# Altium PCB Gesturelink V1.PcbDoc (part 7 of 9) (continued)
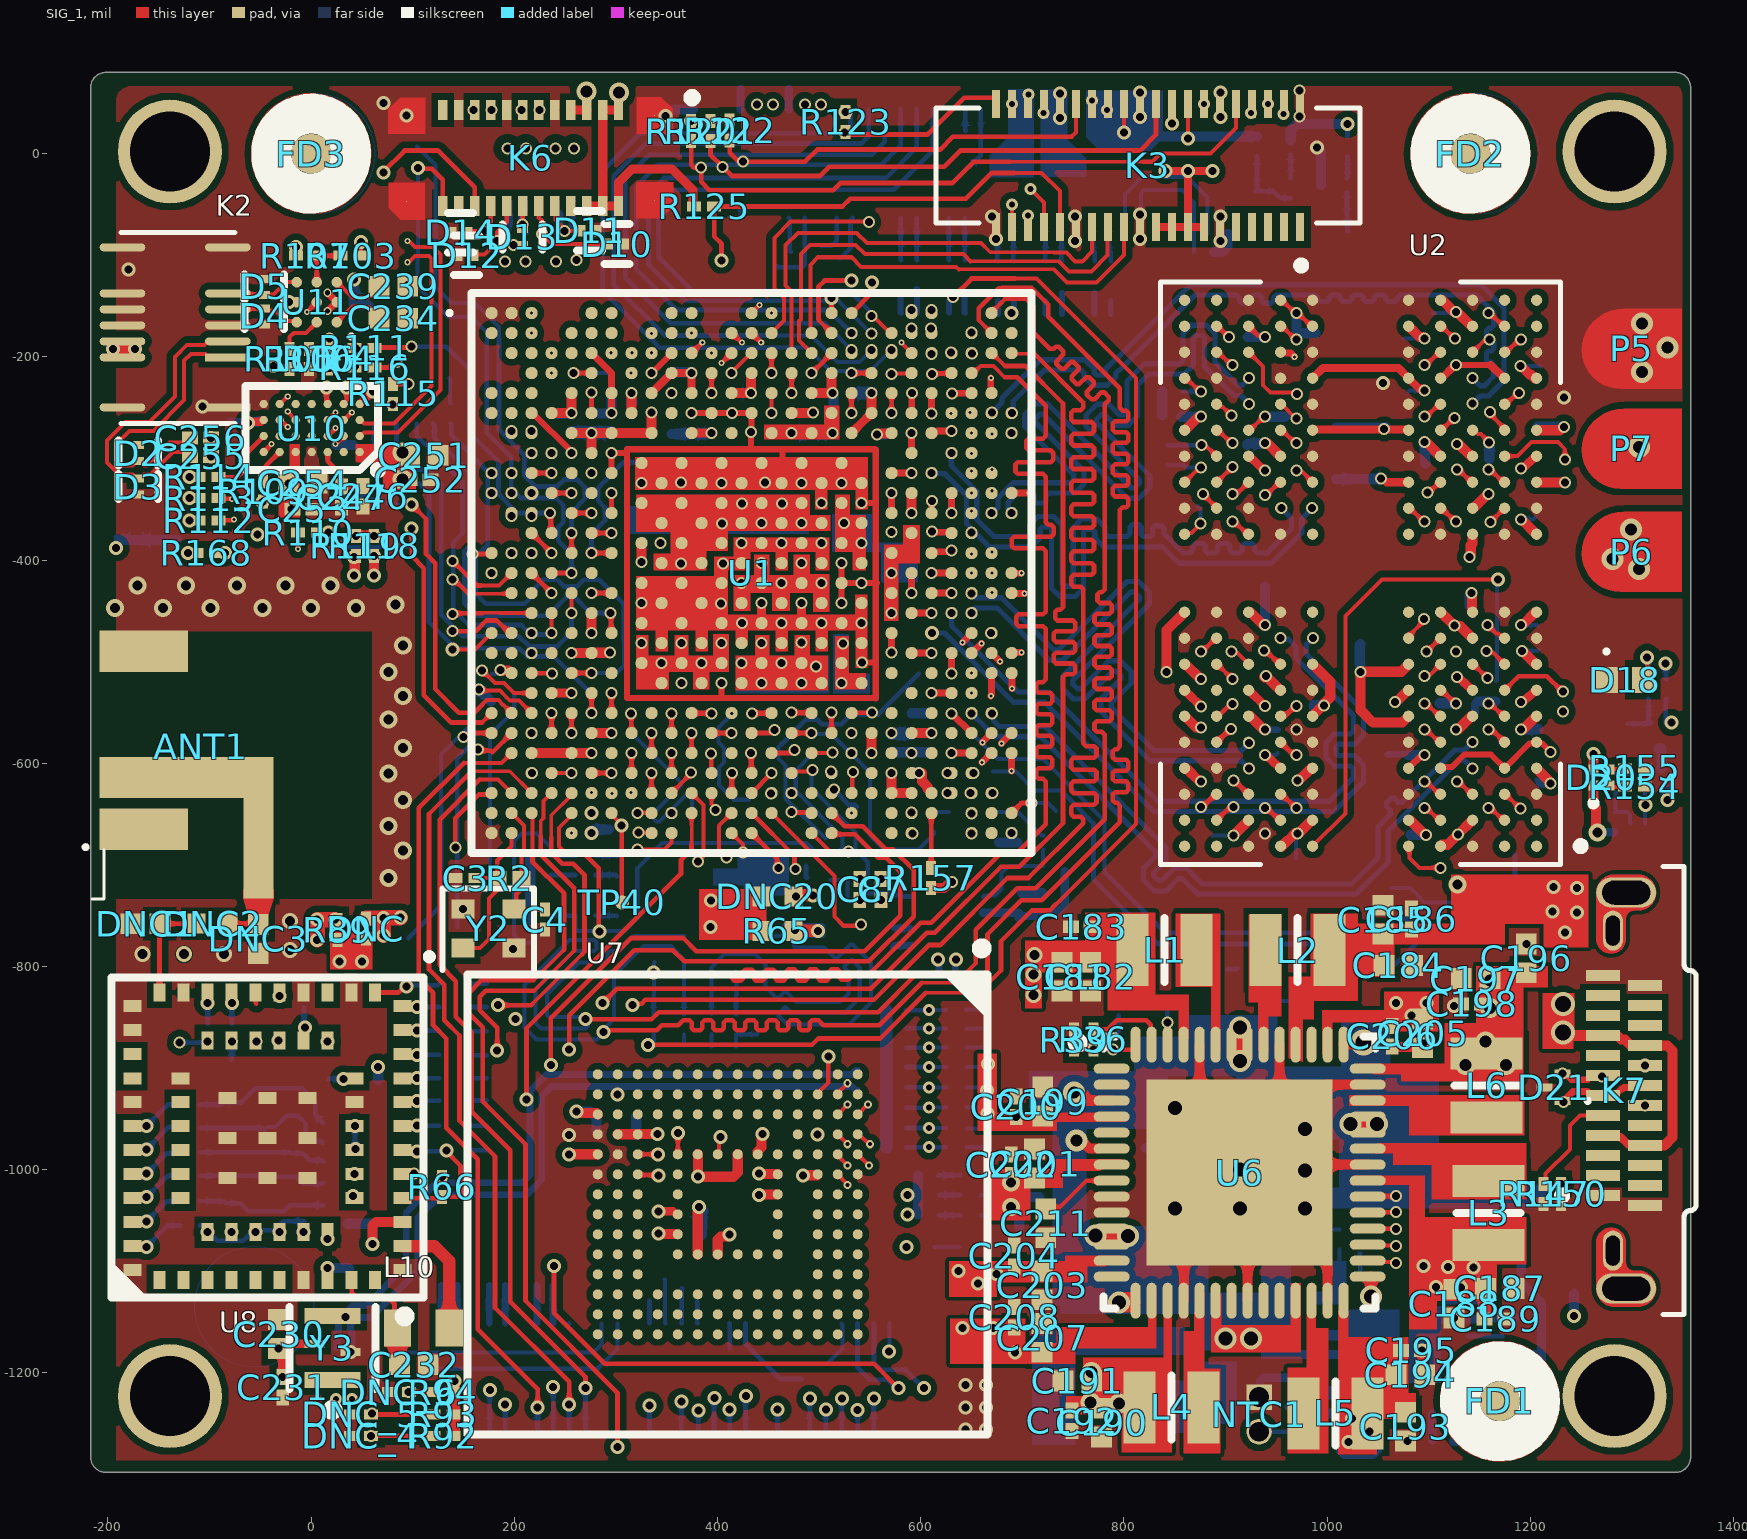
[diagram p0: SIG_1 view]
## Nets (pads, with @x,y where several pads share a name; then routed paths per layer and width w, separated by ;. In a path a pad name is that pad's centre, name@x,y a point inside that pad or via, vN(x,y) a via of type N, cw(c..) or ccw(c..) an arc to the next point about the centre after c; other vN are vias at no path point) (continued)
  other v11: 191.4,-1071.4
PCIE_TX_N: C8.2 U220.6 | length 608.3
  HI_SPEED_SIG_2 w4.3: v20(128,-1069.99) 130.56,-1069.99 134.38,-1066.18 134.45,-1066.18 151,-1049.64 151,-997.84 187.15,-961.69 224.63,-961.69 227.15,-959.17 227.15,-941.83 270.99,-897.99 396.84,-897.99 545.85,-748.99 545.85,-741.72 540,-735.87 v10(540,-734.46)
  other v11: 128,-1066.99
PCIE_TX_P: C7.2 U220.7 | length 610.9
  HI_SPEED_SIG_2 w4.3: v20(144,-1076.99) 145.53,-1075.46 145.53,-1068.26 160.3,-1053.49 160.3,-1001.69 191,-970.99 228.48,-970.99 236.45,-963.02 236.45,-945.69 274.84,-907.29 400.7,-907.29 555.15,-752.84 555.15,-741.72 561,-735.87 v10(561,-734.46)
  other v11: 143.75,-1066.99
RF_OUT: DNC1.2 DNC2.1 U8.22 | length 104
  SIG_1 w4.68: U8.22@-149.24,-825.75 -149.24,-758.41 DNC1.2@-148.83,-757.99 DNC2.1@-112.75,-757.99
SAI2_FS_B: R75.1 TP23.12 U1.AF18 | length 724.8
  SIG_1 w4.58: v21(254,-881.99) 254,-847.94 317.95,-783.99 356,-783.99 367.07,-795.07 458.93,-795.07 459,-794.99 549,-794.99 593,-750.99 593,-704.99 573,-684.99 566,-684.99 543,-661.99 525.15,-661.99 U1.AF18@512.21,-649.06
  SIG_2 w4.67: v7(154,-931.99) 174,-931.99 191,-914.99 240,-914.99 256,-898.99 256,-894.32 255.74,-894.07 255.74,-883.74 v21(254,-881.99)
  SIG_4 w4.58: v7(154,-931.99) TP23.12@173,-931.99
SAI2_SCK_B: R74.1 TP22.12 U1.AF11 | length 437.2
  SIG_1 w3.6: 374.42,-681.07 374.42,-677.22 374.65,-676.99 374.65,-660.49 374.42,-660.26 U1.AF11@374.42,-649.06
  SIG_1 w4.58: v21(212,-930.99) 212,-860.99 364,-708.99 364,-695.33 374.42,-684.92 374.42,-681.07
  SIG_2 w4.67: v7(154,-956.99) 186,-956.99 v21(212,-930.99)
  SIG_4 w4.58: v7(154,-956.99) TP22.12@173,-956.99
SAI2_SD_A_R: R76.1 TP24.12 U1.AD4 | length 670.2
  SIG_1 w4: U1.AD4@236.62,-609.68 v10(256.31,-609.69)
  HI_SPEED_SIG_2 w4.67: v20(154,-909.99) 154,-791.49 161.33,-784.16 171.83,-784.16 204,-751.99 279,-751.99 368,-662.99 368,-631.5 360.73,-624.23 360.73,-603.24 367.97,-596 367.97,-584.52 340.53,-557.08 328.6,-557.08 321.45,-564.23 309.52,-564.23 302.86,-557.58 290.4,-557.58 287.99,-559.98 287.28,-559.98 256.31,-590.96 v10(256.31,-609.69)
  SIG_4 w4.58: v20(154,-909.99) TP24.12@173,-909.99
SAI2_SD_B_T: R73.1 TP21.12 U1.AE15 | length 712.3
  HI_SPEED_SIG_2 w4.67: v50(171,-799.99) 289,-799.99 373.78,-715.22 494.78,-715.22 501.22,-708.77 501.22,-689.22 491,-678.99 477,-678.99 452.69,-654.68 v10(452.69,-629.84)
  SIG_3 w4.63: v7(154,-980.99) 152.25,-979.24 143.25,-979.24 137.64,-973.63 137.64,-814.27 151.91,-799.99 v50(171,-799.99)
  SIG_4 w4.58: v7(154,-980.99) TP21.12@173,-980.99
SAI3_FS_B: R113.1 U1.AC9 | length 853.6
  SIG_1 w4.63: v37(-119.92,-338.99) R113.1@-110.76,-338.99 ; U1.AC9@335.05,-590 v1(335.05,-570.32)
  SIG_3 w4.63: v37(-119.92,-338.99) -103,-338.99 -19,-254.99 26,-254.99 62,-290.99 90,-290.99 118,-318.99 118,-391.99 139,-412.99 139,-612.99 150,-623.99 181,-623.99 183.75,-621.24 265.42,-621.24 316.35,-570.32 v1(335.05,-570.32)
SAI3_SCK_B: R114.1 U1.AG9 | length 865.3
  SIG_1 w4.58: v1(322.04,-668.15) 322.34,-668.44 334.75,-668.44 U1.AG9@335.05,-668.74
  SIG_1 w4.63: v37(-119.92,-318.18) -119.76,-318.33 -110.92,-318.33 R114.1@-110.76,-318.49
  SIG_3 w4.63: v37(-119.92,-318.18) -143.19,-318.18 -157,-331.99 -157,-353.99 -134,-376.99 -82,-376.99 -40.34,-335.34 11.34,-335.34 35.5,-359.49 35.5,-388.49 61,-413.99 90,-413.99 114.09,-438.09 114.09,-628.09 137.5,-651.49 186.5,-651.49 193.7,-644.29 298.18,-644.29 v1(322.04,-668.15)
SAI3_SD_A: R168.2 U1.AC19 | length 1481
  SIG_1 w4.63: v31(-121,-392.99) R168.2@-112.84,-392.99
  HI_SPEED_SIG_2 w4.67: v31(-121,-392.99) -142,-371.99 -142,-256.99 18,-96.99 18,-79.99 30.05,-67.95 62.72,-67.95 72,-77.22 72,-125.99 64,-133.99 64,-233.99 119,-288.99 119,-389.99 174,-444.99 244,-444.99 254.06,-434.93 254.06,-426.96 244.68,-417.58 244.68,-405.74 288.69,-361.72 359.73,-361.72 384,-385.99 384,-402.68 428.58,-447.25 430.11,-447.25 437.95,-455.1 450.47,-455.1 456.27,-449.31 469.22,-449.31 475.01,-455.1 475.42,-455.1 565.24,-544.92 565.24,-556.66 v10(531.9,-590)
SAI3_SD_B: R112.1 U1.AF9 | length 864.1
  SIG_1 w4.58: v1(321.4,-648.82) 321.52,-648.94 334.93,-648.94 U1.AF9@335.05,-649.06
  SIG_1 w4.63: v37(-119.92,-360.99) R112.1@-110.76,-360.99
  SIG_3 w4.63: v37(-119.92,-360.99) -119,-360.08 -106.09,-360.08 -30,-283.99 -23,-283.99 ; -106.09,-360.99 -83,-360.99 -43.5,-321.49 20.5,-321.49 46,-346.99 46,-383.99 60,-397.99 89,-397.99 127,-435.99 127,-617.99 147.25,-638.24 182.75,-638.24 188.37,-632.62 305.21,-632.62 v1(321.4,-648.82)
SD_CARD_CD: K5.35 U1.N5 | length 1141.4
  SIG_1 w4.58: U1.N5@256.31,-393.15 v1(256.31,-373.46)
  SIG_2 w4.67: v7(104,7.01) 126,-14.99 265,-14.99 343,63.01 603.22,63.01 v7(644,22.23)
  SIG_4 w4: v7(104,7.01) 122.39,-11.38 122.39,-131.38 138,-146.99 161.48,-146.99 185,-170.51 185,-181.99
  SIG_4 w4.58: K5.35@643.37,43.35 643.69,43.04 643.69,22.55 v7(644,22.23)
  SIG_4 w4.67: 185,-181.99 185,-271.99 210,-296.99 210,-316.99 220.66,-327.65 242.11,-327.65 248.9,-320.85 261.79,-320.85 269.55,-328.61 269.55,-339.58 256.35,-352.77 256.35,-373.42 v1(256.31,-373.46)
SD_CARD_WP: K5.37 U1.N7 | length 704.9
  SIG_1 w4.58: v1(275.99,-393.15) U1.N7@295.68,-393.15
  SIG_2 w4.67: v8(503,-47.99) 539,-11.99 647,-11.99 v7(648,-12.99)
  SIG_3 w4.63: v35(319,-303.99) 319,-250.73 357.37,-212.36 357.37,-190.95 421.66,-126.65 421.66,-108.33 482,-47.99 v8(503,-47.99)
  SIG_4 w4.58: v1(275.99,-393.15) 275.99,-374.49 289.18,-361.3 289.18,-348.31 282.48,-341.61 282.48,-328.75 307.24,-303.99 v35(319,-303.99) ; v7(648,-12.99) 659.12,-1.87 K5.37@659.12,43.35
SDMMC2_1V8: C207.2 C208.2 R65.1 U6.16 | length 23.2
  SIG_1 w4: v14(476,-763.99) R65.1@477,-764.99
  SIG_1 w12: R65.1@477,-764.99 v14(498.8,-764.99)
  other v2: 693,-1179.99 641,-1155.99 671,-1155.99
SDMMC2_3V3: C199.2 C200.2 C216.2 C217.2 C218.2 C219.2 C220.2 DNC20.1 U6.4 U7.E6 U7.F5 U7.J10 U7.K9 | length 150.1
  SIG_1 w4: v2(342,-1062.99) v2@342.34,-1063.33 ; U7.K9@360.49,-1063.33 U7.K9@360.83,-1063.68 ; U7.F5@439.41,-984.77 U7.F5@439.57,-984.94 ; v2(441,-1003.99) v2@441.31,-1004.31 ; U7.E6@458.94,-1004.31 U7.E6@459.26,-1004.62 ; DNC20.1@475,-728.99 DNC20.1@476,-729.99
  SIG_1 w10: v2@342.34,-1063.33 U7.K9@360.49,-1063.33 ; U7.J10@380.52,-1083.36 380.52,-1041.14 381.28,-1040.39 381.28,-1037.72 v2(382,-1036.99) ; U7.F5@439.41,-984.77 439.41,-982.1 443.3,-978.2 443.3,-965.72 v2(444.03,-964.99) ; v2@441.31,-1004.31 U7.E6@458.94,-1004.31
  SIG_1 w12: DNC20.1@476,-729.99 v14(494,-729.99)
  SIG_4 w12: C217.2@382.76,-1063.99 383.16,-1063.99 383.46,-1063.69 383.46,-1042.54 C216.2@385,-1040.99
  other v14: 694,-948.46 665.5,-944.78 665,-921.99 666,-895.99 477,-730.99
SDMMC_CLK: K5.21 U1.C21 | length 722.8
  SIG_4 w3.7: 511,-213.99 550.25,-213.99 v1(571.03,-193.21)
  SIG_4 w4: 454,-190.99 488,-190.99 511,-213.99
  SIG_4 w4.58: 454,-190.99 343,-190.99 287,-134.99 287,-16.99 324,20.01 524,20.01 530.89,26.9 530.89,41.11 K5.21@533.13,43.35
  other v11: 571.27,-197.19
SDMMC_CMD: K5.23 U1.C20 | length 690.3
  SIG_4 w3.7: 518,-204.99 540.02,-204.99 v1(551.58,-193.43)
  SIG_4 w4: 459,-178.99 492,-178.99 518,-204.99
  SIG_4 w4.58: 459,-178.99 348,-178.99 298,-128.99 298,-21.99 330,10.01 542,10.01 548.88,16.89 K5.23@548.88,43.35
  other v6: 551.58,-196.3
SDMMC_DAT0: K5.31 U1.B21 | length 648.2
  SIG_1 w4: v1(551.58,-159.99) 553.11,-159.99 569.74,-176.61 v6(571.27,-176.61)
  SIG_4 w4: 529.65,-134.99 548.7,-154.04 548.7,-154.99 551.58,-157.88 v1(551.58,-159.99)
  SIG_4 w4.58: 529.65,-134.99 375,-134.99 342.07,-102.07 342.07,-79.93 341.87,-79.72 341.87,-46.95 353.35,-35.47 573.52,-35.47 611.87,2.88 K5.31@611.87,43.35
SDMMC_DAT1: K5.29 U1.C22 | length 685.4
  SIG_1 w4: v3(581.08,-185.93) 581.08,-186.18 590.95,-196.05 U1.C22@590.95,-196.3
  HI_SPEED_SIG_1 w4.63: v1@551,-176.99 572.14,-176.99 v3(581.08,-185.93)
  SIG_4 w4: 519,-144.99 v1@551,-176.99
  SIG_4 w4.58: 519,-144.99 368,-144.99 332,-108.99 332,-38.99 347,-23.99 566,-23.99 596.13,6.13 K5.29@596.13,43.35
  other v1: 551.58,-176.99
  other v4: 581.08,-185.93
SDMMC_DAT2: K5.27 U1.B19 | length 631.9
  SIG_4 w4.58: v6(531.9,-176.61) 509.28,-153.99 360,-153.99 320,-113.99 320,-31.99 341,-10.99 561,-10.99 580.38,8.39 K5.27@580.38,43.35
  other v1: 531.9,-176.61
SDMMC_DAT3: K5.25 U1.C19 | length 652
  SIG_4 w4: 519.18,-180.71 v1(531.9,-193.43)
  SIG_4 w4.58: 519.18,-180.71 505.46,-166.99 354,-166.99 309,-121.99 309,-24.99 333,-0.99 552,-0.99 564.63,11.64 K5.25@564.63,43.35
  other v6: 531.9,-196.3
SPEAKER_CAP_N: C239.2 U11.C1 | length 52.9
  SIG_1 w3.94: U11.C1@25.27,-126.5 40.48,-141.71 49.12,-141.71 49.2,-141.8 56.15,-141.8 58.46,-139.49 58.46,-138.76 C239.2@66.72,-130.5
SPEAKER_CAP_P: C234.2 U11.A1 | length 53
  SIG_1 w3.94: U11.A1@25.27,-165.87 40.48,-150.65 45.41,-150.65 45.5,-150.73 56.25,-150.73 58.56,-153.04 58.56,-153.72 C234.2@66.83,-161.99
SPEAKER_N: C239.1 U10.C1 | length 313.6
  SIG_1 w3.94: U10.C1@47.74,-262.24 48.77,-262.24 52.17,-265.65 81.59,-265.65 118.29,-228.95 118.29,-103.23 115.98,-100.92 102.23,-100.92 96.24,-106.91 v4(95,-106.91)
  HI_SPEED_SIG_1 w3.94: v4(94,-126.99) 94,-135.92 91.69,-138.23 88.43,-138.23 77.94,-127.74 77.94,-105.53 82.54,-100.92 89.01,-100.92 v4(95,-106.91)
  other v3: 94,-126.99 95,-106.91
SPEAKER_OUT_N: D4.1 K2.5 U11.A3 | length 74
  SIG_1 w3.94: K2.5@-82,-153.24 -81.5,-152.74 -46.5,-152.74 D4.1@-46,-152.24 -44.03,-154.21 -35.5,-154.21 -25.09,-164.62 -15.35,-164.62 U11.A3@-14.1,-165.87
SPEAKER_OUT_P: D5.1 K2.6 U11.C3 | length 73.7
  SIG_1 w3.94: K2.6@-82,-137.5 -81.25,-138.24 -46.75,-138.24 D5.1@-46,-138.99 -45.89,-138.88 -36.89,-138.88 -24.5,-126.5 U11.C3@-14.1,-126.5
SPEAKER_P: C234.1 U10.B1 | length 372.8
  SIG_1 w3.94: U10.B1@47.74,-277.99 48.77,-277.99 52.17,-274.59 85.29,-274.59 127.23,-232.65 127.23,-99.53 119.69,-91.98 102.23,-91.98 96.24,-85.99 v4(95,-85.99)
  HI_SPEED_SIG_1 w3.94: v3(95,-157.99) 94.61,-157.6 94.61,-150.08 91.69,-147.17 84.73,-147.17 69,-131.44 69,-101.82 78.84,-91.98 89.01,-91.98 v4(95,-85.99)
  other v3: 95,-85.99
  other v4: 95,-157.99
SPI1_CS: K3.19 R121.1 U1.D12 | length 1321.3
  SIG_1 w4.58: v1(394.1,-235.67) U1.D12@394.1,-215.98
  SIG_1 w4.63: 510,-12.99 623,-12.99 639,3.01 816,3.01 831.5,18.51 K3.19@831.5,48.94
  SIG_1 w4.67: R121.1@393,12.17 393,-0.99 v9(405,-12.99) 414,-21.99 501,-21.99 510,-12.99
  HI_SPEED_SIG_1 w4.63: v48(136,-203.71) 136,-270.99 141,-275.99 173,-275.99 193.67,-255.32 221.33,-255.32 247.98,-281.97 261.59,-281.97 266.37,-286.76 285.16,-286.76 299.52,-272.4 377.29,-272.4 394.1,-255.58 v1(394.1,-235.67)
  SIG_2 w4.67: v48(136,-203.71) 193.28,-203.71 250,-146.99 284,-146.99 313,-117.99 337,-117.99 360,-94.99 360,-58.99 374,-44.99 374,-1.99 379,3.01 397,3.01 403.26,-3.25 403.26,-11.25 v9(405,-12.99)
SPI1_MISO: K3.17 U1.A19 | length 485.9
  SIG_1 w4.58: U1.A19@531.9,-156.93 550.24,-138.59 550.24,-128.75 v25(552,-126.99)
  HI_SPEED_SIG_1 w4.63: v25(552,-126.99) 657.96,-126.99 763.98,-20.97 808.02,-20.97 829,0.01 873,0.01 885,12.01 885,22.01 870,37.01 857.27,37.01 849.73,29.47 v25(847.25,29.47)
SPI1_MOSI: K3.15 U1.C15 | length 580.3
  SIG_1 w4: v25(863,15.01) K3.15@863,48.94
  SIG_1 w4.58: v1(453.16,-215.98) U1.C15@453.16,-196.3
  HI_SPEED_SIG_1 w3.6: v1(453.16,-215.98) 497,-172.14 497,-135.99
  HI_SPEED_SIG_1 w4.63: 497,-135.99 532,-100.99 617,-100.99 698,-19.99 743,-19.99 754,-8.99 801,-8.99 825,15.01 v25(863,15.01)
SPI1_SCK: K3.13 U1.A15 | length 519.1
  HI_SPEED_SIG_1 w4.63: v4(453.16,-156.93) 477,-133.09 477,-118.99 515,-80.99 596,-80.99 680,3.01 736,3.01 757.47,24.48 783.65,24.48 808.11,48.94 v41(878.75,48.94)
  other v3: 453.16,-156.93
SPI2_CS: K3.29 R122.1 U1.B14 | length 782.5
  SIG_1 w4: 748.6,16.61 752.76,20.77 K3.29@752.76,48.94
  SIG_1 w4.58: U1.B14@433.47,-176.61 U1.B14@433.47,-176.61 442.93,-185.99 v4(443,-185.99)
  SIG_1 w4.63: R122.1@412,13.01 412,1.01 421.08,-8.08 424.92,-8.08 v5(425,-7.99) 486,-7.99 498,4.01 619,4.01 631.6,16.61 748.6,16.61
  HI_SPEED_SIG_1 w3.6: 361.11,-220.67 369.15,-228.7 379.69,-228.7 385.94,-222.45 400.57,-222.45 407.32,-229.2 419.26,-229.2 433,-215.47 433,-195.99 v4(443,-185.99)
  HI_SPEED_SIG_1 w4.63: 361.11,-220.67 354,-213.56 354,-205.2 345,-196.2 345,-161.99 361,-145.99 361,-130.99 376,-115.99 376,-84.99 425,-35.99 v5(425,-7.99)
  other v3: 443,-185.99
SPI2_MISO: K3.27 U1.C13 | length 511.6
  SIG_1 w4.58: v4(404,-205.99) U1.C13@413.74,-196.3
  HI_SPEED_SIG_1 w3.94: 612,25.01 725.9,25.01
  HI_SPEED_SIG_1 w4.63: v4(404,-205.99) 404,-160.99 590,25.01 612,25.01 ; 725.9,25.01 753.12,52.23 v41(768.51,52.23)
  other v3: 404,-205.99
SPI2_MOSI: K3.25 U1.A14 | length 438.8
  SIG_1 w4.63: U1.A14@433.34,-156.93 441.15,-149.12 v3(441.15,-148.99)
  HI_SPEED_SIG_1 w3.94: 615,14.01 728.74,14.01
  HI_SPEED_SIG_1 w4.63: v3(441.15,-148.99) 466,-124.14 466,-113.99 594,14.01 615,14.01 ; 728.74,14.01 753.74,39.01 773.99,39.01 776.49,41.51 781.98,41.51 v41(783.35,42.88)
  other v4: 441.15,-148.99
SPI2_SCK: K3.23 U1.B13 | length 535.4
  SIG_1 w4: v25(800,20.75) K3.23@800.01,48.94
  SIG_1 w4.58: U1.B13@413.79,-176.61 414.24,-176.61 423.61,-185.99 v4(424,-185.99)
  HI_SPEED_SIG_1 w4.63: v4(424,-185.99) 439.77,-170.22 479.77,-170.22 487,-162.99 487,-123.99 520,-90.99 606,-90.99 688,-8.99 739,-8.99 749,1.01 795,1.01 800,6.01 v25(800,20.75)
  other v3: 424,-185.99
SPI3_CS: K3.39 R123.1 U1.C12 | length 503.1
  SIG_1 w4.63: v5(525,21.01) 527.11,18.89 544,18.89 606.89,18.89 643,55.01 672.09,55.01 674.02,53.07 K3.39@674.02,48.94
  HI_SPEED_SIG_1 w3.6: 374,-200.99 389.41,-200.99
  HI_SPEED_SIG_1 w3.7: 389.41,-200.99 v4@393.84,-196.56
  HI_SPEED_SIG_1 w4.63: 374,-200.99 359,-185.99 359,-168.99 373,-154.99 373,-138.99 388,-123.99 388,-90.99 500,21.01 v5(525,21.01)
  other v3: 394.1,-196.3
  other v4: 394.1,-196.3
SPI3_MISO: K3.37 U1.B11 | length 420.5
  HI_SPEED_SIG_1 w3.94: 579.94,48.94 v41(689.77,48.94)
  HI_SPEED_SIG_1 w4.63: v4(374.42,-176.61) 383.36,-167.67 383.36,-147.63 579.94,48.94
  other v3: 374.42,-176.61
SPI3_MOSI: K3.35 U1.D8 | length 1028.8
  HI_SPEED_SIG_1 w4.63: v48(136,-181.99) 153,-198.99 153,-253.99 157.08,-258.08 160.92,-258.08 161,-257.99 173,-257.99 188,-242.99 227.37,-242.99 251.45,-267.07 263.92,-267.07 v3(315,-215.99)
  SIG_2 w4.67: v48(136,-181.99) 194,-181.99 242,-133.99 276,-133.99 304,-105.99 328,-105.99 345,-88.99 345,-52.99 362,-35.99 362,4.01 379,21.01 442,21.01 462,1.01 661,1.01 672,12.01 672,43.01 686,57.01 705,57.01 v45(706,58.01)
  other v4: 315,-215.99
SPI3_SCK: K3.33 U1.C11 | length 460.5
  SIG_1 w4.58: U1.C11@374.42,-196.3 374.56,-196.3 384.86,-185.99 v3(385,-185.99)
  HI_SPEED_SIG_1 w3.94: 695.1,36.07 699.04,40.01 v41(721,40.01)
  HI_SPEED_SIG_1 w4.63: v3(385,-185.99) 395,-175.99 395,-153.99 588.51,39.51 680.51,39.51 684.3,35.73 694.76,35.73 695.1,36.07
  other v4: 385,-185.99
SPI4_CS: K3.9 R120.1 U1.B18 | length 937.3
  SIG_1 w3.7: 688,-7.99 819,-7.99
  SIG_1 w4: 819,-7.99 828,-7.99 836,0.01 885,0.01 910.24,25.25 K3.9@910.24,48.94
  SIG_1 w4.58: 499.32,-158 499.32,-162.85 499.89,-163.41 499.89,-164.29 U1.B18@512.21,-176.61
  SIG_1 w4.63: R120.1@374,12.17 374,-11.01 376.71,-13.72 v9@383.87,-13.72 ; v9(383.87,-13.87) 383.87,-27.87 392,-35.99 514,-35.99 521,-28.99 631,-28.99 652,-7.99 688,-7.99 ; 499.32,-158 499.32,-130.99 505.32,-124.99 v37(532,-124.99)
  SIG_2 w4.67: v9@386.87,-13.87 386.87,-33.87 392,-38.99 445,-38.99 v8(479,-72.99)
  SIG_3 w4.63: v8(479,-72.99) 514,-72.99 533.7,-92.7 533.7,-123.29 v37(532,-124.99)
SPI4_MISO: K3.7 U1.C18 | length 716.1
  SIG_1 w4.58: v1(492.53,-215.98) U1.C18@512.21,-196.3
  SIG_2 w4.67: v1(492.53,-215.98) 492.53,-128.46 530,-90.99 840,-90.99 862,-112.99 907,-112.99 926.45,-93.54 926.45,38.64 v45(925.09,40.01)
SPI4_MOSI: K3.5 U1.A18 | length 640.4
  SIG_1 w4.63: v21(512.03,-141.99) 512.12,-142.09 512.12,-156.84 U1.A18@512.21,-156.93
  SIG_2 w4.67: v21(512.03,-141.99) 512.03,-123.97 535,-100.99 827,-100.99 852,-125.99 912,-125.99 942,-95.99 942,23.01 941.74,23.27 v45(941.74,48.94)
SPI4_SCK: K3.3 U1.D20 | length 697
  SIG_1 w4.58: v9(532,-215.99) U1.D20@551.58,-215.98
  SIG_2 w4.67: v9(532,-215.99) 515,-198.99 515,-175.51 519.29,-171.22 519.41,-171.22 574.63,-115.99 821,-115.99 843,-137.99 918,-137.99 957,-98.99 v45(957,39.01)
SPI5_CS: K4.43 U1.U2 | length 1383
  SIG_1 w4.58: v9@140,-469.99 162.03,-469.99 172.46,-459.56 182.86,-459.56 195.19,-471.89 U1.U2@197.25,-471.89
  HI_SPEED_SIG_2 w4.67: v34(127,-695.99) 127,-481.99 v9(139,-469.99)
  SIG_2 w4.67: v34(127,-695.99) 126.22,-696.77 126.22,-787.77 109.17,-804.83 84.88,-804.83 79.44,-810.26 79.44,-853.55 49,-883.99 49,-917.99 42,-924.99 -9.71,-924.99 -16.54,-931.82 -65,-980.28 -65,-1081.99 -33,-1113.99 99,-1113.99 178.21,-1193.2 223.3,-1193.2 242.51,-1173.99 298,-1173.99 330,-1141.99 v18(443,-1141.99)
SPI5_MISO: K4.47 U1.AD6 | length 1276.4
  SIG_1 w4.58: U1.AD6@275.99,-609.68 v1(295.68,-609.69)
  SIG_3 w4.63: v1(295.68,-609.69) 308.69,-609.69 338,-638.99 338,-670.88 326.71,-682.18 307.81,-682.18 284,-705.99 284,-785.99 251,-818.99 209,-818.99 183,-844.99 183,-992.99 159,-1016.99 100,-1016.99 76,-1040.99 76,-1123.99 147,-1194.99 147,-1227.99 182,-1262.99 263,-1262.99 319,-1206.99 433,-1206.99 475,-1164.99 v18(475,-1142.99)
SPI5_MOSI: K4.45 U1.AA7 | length 1314.8
  SIG_1 w4.58: U1.AA7@295.68,-550.63 v1(295.68,-530.95)
  SIG_3 w4.63: v1(295.68,-530.95) 314.95,-530.95 348.27,-564.26 348.27,-576.49 341.51,-583.24 341.51,-597.46 350,-605.94 350,-673.99 332,-691.99 314,-691.99 295,-710.99 295,-789.99 253,-831.99 216,-831.99 194,-853.99 194,-999.99 164,-1029.99 107,-1029.99 88,-1048.99 88,-1119.99 156,-1187.99 156,-1221.99 187,-1252.99 257,-1252.99 312,-1197.99 418,-1197.99 430.29,-1185.7 430.29,-1172.7 444,-1158.99 v18(459,-1158.99)
SPI5_SCK: K4.49 U1.T3 | length 1598.4
  SIG_1 w3.6: 168.73,-452.36 169.12,-451.98 185.82,-451.98 186.05,-452.2 U1.T3@216.94,-452.2
  SIG_1 w4.58: v9@139.6,-452.36 168.73,-452.36
  HI_SPEED_SIG_2 w4.67: v34(112,-710.99) 110.78,-709.77 110.78,-466.22 123.76,-453.23 v9(139,-453.23)
  SIG_2 w4.67: v34(112,-710.99) 112,-776.11 95.12,-792.99 82,-792.99 66,-808.99 66,-848.99 16,-898.99 -46,-898.99 -106,-958.99 -106,-1072.99 -53,-1125.99 91,-1125.99 147,-1181.99 147,-1228.99 175,-1256.99 263,-1256.99 344,-1175.99 482,-1175.99 490,-1167.99 v18(490,-1158.99)
SPI7_CS: K3.32 R125.1 U1.M6 | length 961.2
  SIG_1 w4: 692,-18.99 719,-18.99 737.02,-37.02 K3.32@737.02,-75.1
  SIG_1 w4.58: U1.M6@275.99,-373.46 v1(295.68,-373.46)
  SIG_1 w4.63: v37(404,-104.99) 404,-88.91 396.68,-81.59 R125.1@396.68,-51.99 523,-51.99 530.5,-44.49 644.5,-44.49 670,-18.99 692,-18.99
  SIG_3 w4.63: v1(295.68,-373.46) 295.68,-353.67 282,-339.99 270,-339.99 262.68,-347.31 248.85,-347.31 236.53,-334.99 224,-334.99 211,-321.99 211,-232.99 247,-196.99 303,-196.99 325.5,-174.49 325.5,-127.99 348.5,-104.99 v37(404,-104.99)
SPI7_MISO: K3.34 U1.N3 | length 924.8
  SIG_1 w4: v49(708,-34.99) 721.28,-48.27 K3.34@721.28,-75.1
  SIG_3 w4.63: v6(216.94,-393.15) 200,-376.21 200,-225.99 240,-185.99 295,-185.99 315,-165.99 315,-105.99 341.87,-79.12 434.3,-79.12 481.43,-31.99 568,-31.99 611,-74.99 715,-74.99 723,-66.99 723,-37.7 720.29,-34.99 v49(708,-34.99)
  other v1: 216.94,-393.15
  other v11: 216.94,-393.15
  other v19: 216.94,-393.15
SPI7_MOSI: K3.36 U1.N2 | length 831.5
  SIG_3 w4.63: v19(196.27,-393.99) 189,-386.72 189,-216.99 232,-173.99 288,-173.99 303,-158.99 303,-99.99 339,-63.99 366.54,-63.99 393.54,-36.99 460,-36.99 478,-18.99 580,-18.99 623.11,-62.1 704.15,-62.1 v49(705.53,-60.73)
  other v1: 197,-392.99
  other v6: 196.27,-393.99
  other v11: 196.27,-393.99
SPI7_SCK: K3.38 U1.P1 | length 878.8
  SIG_1 w4: K3.38@689.78,-75.1 689.89,-75 689.89,-50.11 v49(690,-49.99)
  SIG_3 w4.63: v11(177.67,-411.82) 177.67,-209.33 225,-161.99 280,-161.99 293,-148.99 293,-90.99 331.99,-52.01 360.99,-52.01 387,-25.99 455,-25.99 478,-2.99 596.99,-2.99 643.99,-49.99 v49@689.83,-49.99
  other v1: 177.57,-412.83
  other v6: 177.67,-411.82
  other v19: 177.67,-411.82
SPI8_CSS: R137.1 R138.2 U1.Y6 | length 461.4
  SIG_1 w4.58: v1(275.97,-550.65) U1.Y6@275.99,-530.94
  SIG_4 w4.58: R137.1@62,-265.83 62,-285.99 R138.2@61,-286.99 61,-304.99 81,-324.99 107,-324.99 116,-333.99 116,-460.99 142,-486.99 205,-486.99 213,-494.99 239,-494.99 263,-518.99 275.99,-531.97 v1@275.99,-550.63
SPI8_DCX: R136.1 R140.1 U1.R5 | length 406.9
  SIG_1 w4: v1(256.31,-452.21) U1.R5@256.31,-432.52
  SIG_4 w4.58: R140.1@84,-297.83 R136.1@84,-265.67 ; R140.1@84.32,-297.99 84.32,-307.31 87.93,-310.92 93.53,-310.92 93.72,-311.11 114.11,-311.11 128,-324.99 128,-453.99 149,-474.99 204.5,-474.99 214.59,-485.08 242.09,-485.08 252,-475.17 252,-474.99 256.31,-470.69 v1(256.31,-452.21)
SPI8_MISO: R134.1 U1.U7 | length 381.8
  SIG_1 w4.58: v1(294.81,-452.21) 295.24,-452.64 295.24,-471.45 U1.U7@295.68,-471.89
  SIG_4 w4.58: R134.1@120,-265.67 121.43,-267.1 121.43,-279.42 160,-317.99 160,-381.99 151,-390.99 151,-442.99 163,-454.99 232.81,-454.99 252.68,-435.12 257.88,-435.12 274.96,-452.21 v1(294.81,-452.21)
SPI8_MOSI: R133.1 U1.T4 | length 333.2
  SIG_1 w4: v1(236.62,-471.89) U1.T4@236.62,-452.2
  SIG_4 w4.58: R133.1@104,-265.83 104,-277.99 112.29,-286.28 113.7,-286.28 117.68,-290.26 117.68,-291.67 148.93,-322.92 148.93,-373.99 140,-382.92 140,-448.99 155,-463.99 207,-463.99 216.28,-473.27 235.24,-473.27 v1(236.62,-471.89)
SPI8_SCK: R135.1 U1.W5 | length 481.1
  SIG_1 w4.58: U1.W5@256.31,-511.26 v1(275.99,-511.26)
  SIG_4 w4: v1(275.99,-511.26) 300.73,-511.26 308,-503.99 308,-479.25
  SIG_4 w4.58: R135.1@137,-265.67 137.75,-266.42 137.75,-276.74 174,-312.99 174,-384.99 162,-396.99 162,-432.99 172,-442.99 210,-442.99 221,-431.99 221,-426.99 228.66,-419.33 242.09,-419.33 248.79,-426.03 261.77,-426.03 268.47,-419.33 283.51,-419.33 308,-443.82 308,-479.25
SR_VLX: L10.2 U8.2 | length 118.3
  SIG_1 w12: U8.2@89.73,-1075.35 121.36,-1075.35 135.98,-1089.98 L10.2@135.98,-1155.99
STAT_IND: D18.2 P7.1 R152.1 | length 290.5
  SIG_1 w4.67: D18.2@1310.75,-517.99 1315,-513.74 v2(1315,-495.99)
  SIG_2 w4.67: v30(1307,-288.99) 1307,-319.99 1264.96,-362.03 1264.96,-445.96 v2(1315,-495.99)
  SIG_4 w4.58: v2(1315,-495.99) 1315.5,-496.49 1315.5,-516.65 R152.1@1316,-517.15
STATUS_EXT_BAT_MPU: Q4.2 R151.2 U1.AD18 | length 1319.2
  SIG_2 w4.67: v1(511.7,-607.97) 513.63,-607.97 518.93,-613.27 519.94,-613.27 532.97,-626.3 532.97,-645.96 553.17,-666.16 553.17,-673.19 562.97,-682.99 581,-682.99 611.83,-713.82 v46(611.83,-714.82)
  SIG_3 w4.63: v46(611.83,-714.82) 611.24,-714.23 611.24,-587.21 623.81,-574.64 636.44,-574.64 645.38,-583.57 645.38,-591.72 648.09,-594.43 658.33,-594.43 671,-607.11 v35(671,-607.99) ; v12(1073,-767.99) 1146.62,-767.99 1156.31,-758.3 1156.31,-687.68 1198,-645.99 1230,-645.99 1245,-630.99 1290,-630.99 1310,-610.99 1310,-575.99 1326,-559.99 v2(1339,-559.99)
  SIG_4 w4: v35(671,-607.99) 693.53,-607.99 712.21,-626.67 737.68,-626.67 745,-633.99
  SIG_4 w4.58: Q4.2@1332.89,-560.2 1333.44,-559.64 1333.44,-537.39 R151.2@1334,-536.83
  SIG_4 w4.67: 745,-633.99 770,-658.99 770,-713.99 834,-777.99 1063,-777.99 v12(1073,-767.99)
STATUS_EXT_USB_MPU: Q3.2 R164.2 U1.AE18 | length 1366.6
  SIG_2 w4.67: v7(598,-511.99) 599.74,-510.25 611.55,-510.25 626.8,-494.99 659,-494.99 703,-538.99 703,-579.99 690.76,-592.23 690.76,-617.75 698,-624.99 763,-624.99 888,-749.99 990,-749.99 1018,-721.99 1062,-721.99 v7(1063,-722.99)
  SIG_3 w4.63: v35(506.19,-674.18) 507.37,-672.99 530,-672.99 537,-665.99 v35(537,-642.99) ; v12(1185,-689.99) 1287,-689.99 1313,-663.99 1313,-648.99
  SIG_4 w4: 462.52,-581.6 460.09,-584.02 460.09,-595.35 467,-602.25 467,-634.99 v35(506.19,-674.18) ; v7(1063,-722.99) 1082,-722.99 1096,-736.99 1157,-736.99 1185,-708.99 ; Q3.2@1312.89,-659.4 1313,-659.29 1313,-627.15 R164.2@1314.16,-625.99
  SIG_4 w4.67: 462.52,-581.6 487.04,-557.08 498.08,-557.08 502.74,-561.73 521.76,-561.73 531.5,-551.99 558,-551.99 v7(598,-511.99) ; v1(514.65,-626.04) 529.86,-641.25 535.26,-641.25 v35(537,-642.99) ; 1185,-708.99 v12(1185,-689.99)
  other v2: 1313.33,-640.96
STSAFE_RESET: R141.2 R144.2 U1.AA13 | length 550.9
  HI_SPEED_SIG_2 w4.67: v20(220,-776.99) 221.74,-778.74 226.35,-778.74 227.29,-779.68 289.49,-779.68 387.21,-681.96 387.21,-603.75 379.6,-596.15 379.6,-585.39 v4(414,-550.99)
  SIG_4 w4: v20(220,-776.99) 219.61,-776.6 207.11,-776.6 199.5,-768.99 199.5,-676.49 207,-668.99 222,-668.99 235.42,-682.41 235.42,-690.41 R144.2@236,-690.99
  SIG_4 w4.58: R144.2@236,-690.99 R141.2@260,-690.99
  other v3: 414,-550.99
  other v62: 414,-550.99
SWCLK: K4.18 U1.AA5 | length 937.7
  SIG_1 w4.58: v1(256.31,-570.32) U1.AA5@256.31,-550.63
  HI_SPEED_SIG_1 w4.63: v2(238,-1213.99) 238,-1243.28 245.36,-1250.64 262.36,-1250.64 287,-1225.99 287,-1203.99 239,-1155.99 239,-1125.99 223,-1109.99 208,-1109.99 170,-1071.99 170,-969.99 149,-948.99 149,-788.99 186,-751.99 186,-612.99 212.15,-586.84 239.78,-586.84 v1(256.31,-570.32)
  SIG_4 w4.58: v2(238,-1213.99) 238.24,-1214.24 238.24,-1257.75 K4.18@238.49,-1257.99
SWDIO: K4.22 U1.AE2 | length 754.6
  SIG_1 w3.6: 174,-615.99 183.87,-615.99 U1.AE2@197.25,-629.37
  SIG_1 w3.7: 166,-615.99 174,-615.99
  SIG_1 w4.58: 166,-615.99 126.48,-655.51 126.48,-798.47 142.5,-814.49 142.5,-849.49 158,-864.99 158,-942.99 196,-980.99 196,-1129.99 270,-1203.99 v2(270,-1214.99)
  SIG_4 w4.58: K4.22@269.98,-1257.99 v2(270,-1214.99)